# KiCad board JL.kicad_pcb (continued)
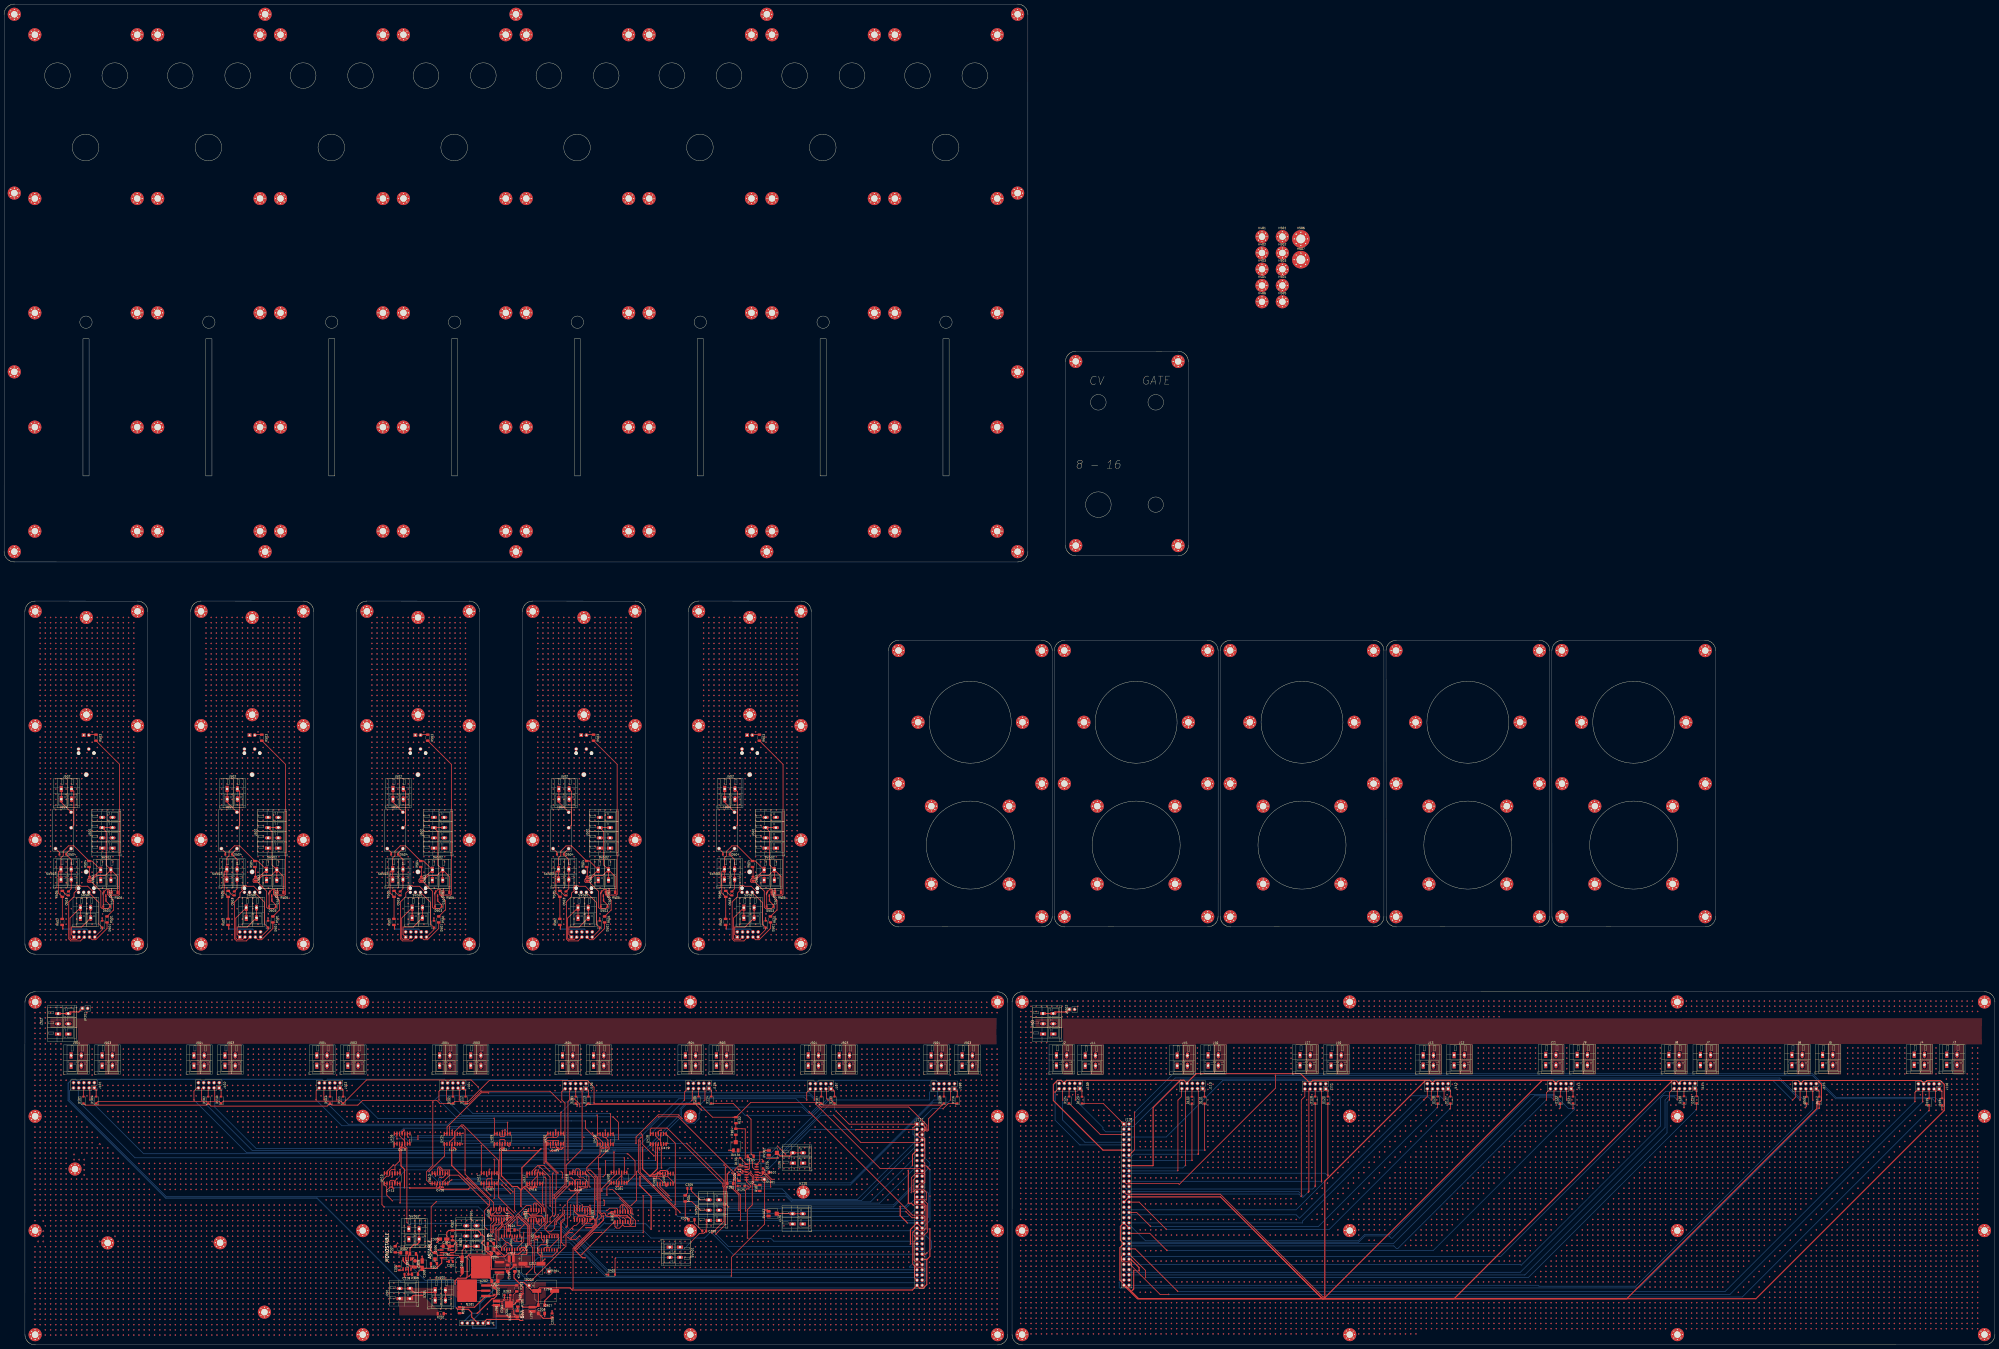
[diagram p0: board, top side]
## Routing (per net, layer and track width the routed paths; a pad name or vN(x,y) marks a point on that pad's centre or on a via; arc(x,y) is an arc through that point) (continued)
Net-(C305-Pad1): length 3.9
  Top w0.349: C305.1 333.69,74.07 R304.1
Net-(C306-Pad1): length 7.1
  Top w0.3: C306.1 337.18,59.42 R305.1
Net-(D117-K): length 386.2
  Top w0.349: 886.41,117.9 886.41,115.66 886.39,115.65 v1(886.46,115.65) 886.46,115.71 886.4,115.65
  Bottom w0.3: 546.89,31.69 546.87,31.66
  Bottom w0.349: 886.4,115.65 798.6,27.85 545.31,27.85 545.09,27.63 544.59,28.14 544.59,30.33 544.49,30.43 545.72,31.66 546.87,31.66
Net-(D118-K): length 135.2
  Top w0.349: 640.31,118 640.31,78
  Top w0.5: 640.31,78 640.31,77.49 v1(640.4,77.4)
  Bottom w0.349: v1(640.4,77.4) 639.14,76.15 548.1,76.15 546.87,77.38
Net-(D119-K): length 454.9
  Top w0.349: v1(644.15,23.4) 593.95,73.6 548.11,73.6 546.87,74.84 ; 939.9,114.4 939.89,114.4 v1(940.01,114.4) 940.01,114.51 940.11,114.61 940.11,117.1
  Bottom w0.349: v1(644.15,23.4) 848.9,23.4 939.9,114.4
Net-(D120-K): length 136.1
  Top w0.349: 646.51,118 646.51,83.4
  Top w0.5: 646.51,83.4 646.51,82.76 v1(646.4,82.65)
  Bottom w0.349: 546.87,82.46 548.25,83.85 548.79,83.85 548.88,83.77 549.93,83.77 550.02,83.85 645.2,83.85 v1(646.4,82.65)
Net-(D121-K): length 258.1
  Top w0.349: 766.21,118 766.21,115.46 766.15,115.4
  Bottom w0.349: 766.15,115.4 766.11,115.4 v1(766.11,115.4) 766.1,115.4 764.02,115.4 757.15,122.28 745.27,122.28 676.69,53.7 676.54,53.85 664.36,53.85 661.39,50.88 557.39,50.88 550.68,57.6 550.68,57.62 549.93,58.36 548.88,58.36 548.85,58.33 548.14,58.33 546.87,57.06
Net-(D122-K): length 252
  Top w0.349: 760.01,118 760.01,115.76 759.65,115.4
  Bottom w0.349: 546.87,51.98 548.49,50.36 548.88,50.74 549.93,50.74 550.48,50.19 661.55,50.19 664.61,53.25 676.3,53.25 677.65,51.9 747.42,121.68 756.9,121.68 759.65,118.93 759.65,115.49 v1(759.61,115.45) 759.65,115.41 759.65,115.4
Net-(D123-K): length 24.6
  Top w0.349: 546.87,107.86 536.83,117.9 526.41,117.9
Net-(D124-K): length 33.1
  Top w0.349: 546.87,102.78 535.33,102.78 520.11,118
Net-(D125-K): length 27.5
  Top w0.349: v4(363.47,77.23) 363.04,77.65 D125.1 ; 370.31,83.95 370.31,84.68 ; 366.64,83.15 U2.3 367.93,82.73 369.87,82.73 370.49,83.35 R101.2 374.36,80.37 v4(374.36,77.23)
  Bottom w0.349: v4(363.47,77.23) v4(374.36,77.23)
Net-(D126-A): length 17.4
  Top w0.349: 362.66,85.64 363.28,85.64 ; D126.2 370.64,90.15 v3(370.16,90.63) ; v3(364.66,90.93) 364.34,90.93 R103.2 363.96,91.31 363.96,86.11 363.53,85.69 U2.10
  Bottom w0.349: v3(370.16,90.63) 364.96,90.63 v3(364.66,90.93)
Net-(D127-K): length 189.4
  Top w0.349: 706.31,118 706.31,115.56 706.15,115.4 ; 549.41,69.76 554.29,69.76 567.65,56.4
  Bottom w0.349: 706.15,115.4 706.16,115.41 v1(706.16,115.35) 706.09,115.35 647.15,56.4 567.66,56.4 v1(567.66,56.4) 567.65,56.4 567.65,56.4
Net-(D128-K): length 179.5
  Top w0.349: 700.11,118 700.11,116.11 699.96,115.96 v1(699.96,115.95) 699.94,115.95 699.9,115.9 ; 549.41,64.68 553.12,64.68 559.86,57.94 v1(559.86,57.9) 559.9,57.9 559.9,57.9
  Bottom w0.349: 699.9,115.9 641.9,57.9 559.9,57.9
Net-(D129-K): length 321
  Top w0.349: 826.4,114.9 826.39,114.9 v1(826.41,114.9) 826.41,114.91 826.61,115.11 826.61,118.1 ; 549.41,44.36 557.4,36.37 557.4,32.9
  Bottom w0.349: 826.4,114.9 744.43,32.93 557.43,32.93 557.41,32.91 v1(557.41,32.9) 557.39,32.9 557.4,32.9
Net-(D130-K): length 319.5
  Top w0.349: 820.4,115.9 820.39,115.9 v1(820.41,115.9) 820.41,118.1
  Bottom w0.349: 549.41,39.28 740.52,39.28 740.9,38.9 808.9,106.9 808.9,120.4 810.27,121.78 817.1,121.78 820.4,118.48 820.4,115.9
Net-(D131-K): length 59.8
  Top w0.349: 586.31,117.9 586.31,95.24 586.35,95.2 v1(586.41,95.2) 586.41,95.14 586.4,95.15
  Bottom w0.349: 549.41,95.16 586.39,95.16 586.4,95.15
Net-(D132-K): length 349.7
  Top w0.349: 879.65,115.9 879.64,115.9 v1(879.66,115.9) 879.66,115.91 880.21,116.46 880.21,117.9
  Bottom w0.349: 879.65,115.9 879.65,119.03 877.7,120.98 876.58,120.98 867.15,130.4 571.95,130.4 549.41,107.86
Net-(D133-K): length 58.6
  Top w0.349: 580.15,90.15 580.11,90.19 580.11,117.9
  Bottom w0.349: 549.41,90.08 580.08,90.08 580.16,90.16 v1(580.16,90.15) 580.14,90.15 580.15,90.15
Net-(D134-K): length 435.4
  Top w0.349: 946.4,114.9 946.41,114.91 946.41,117.1 ; 552.15,113.65 v1(552.11,113.65) 552.15,95.36 549.41,92.62
  Bottom w0.349: 946.4,114.9 946.41,114.89 v1(946.41,114.85) 946.45,114.85 946.12,115.18 946.12,117.85 943.15,120.83 894.75,120.83 883.15,132.43 570.92,132.43 552.15,113.65
Net-(D135-A): length 4.9
  Top w0.349: 359.66,91.38 359.66,91.13 U2.8 363.07,88.23
Net-(D135-K): length 19.3
  Top w0.349: R107.2 368.71,77.82 366.84,77.82 366.11,78.54 366.11,82.59 364.72,83.98 ; 364.72,83.98 364.72,84.77 v3(364.66,84.83) ; 364.72,83.98 363.9,83.98 363.07,83.15 U2.12 ; D135.1 359.86,87.63 v3(360.86,87.63)
  Bottom w0.349: v3(364.66,84.83) 361.86,87.63 v3(360.86,87.63)
Net-(D401-A): length 39.8
  Top w0.349: v4(298.62,42.4) 298.38,42.17 D401.2
  Bottom w0.349: v4(298.62,42.4) 298.98,42.77 SW401.2
Net-(J502-Pin_1): length 66.8
  Top w0.349: K501#2.4 270.93,265.03 J502.1 ; J502#2.1 27.93,265.03 K501#5.4 ; K501#4.4 189.93,265.03 J502#4.1 ; K501.4 108.93,265.03 J502#3.1 ; J502#5.1 351.93,265.03 K501#3.4
Net-(J502-Pin_2): length 125
  Top w0.349: K501#3.3 358.06,253.93 358.06,270.44 J502#5.2 ; J502.2 277.06,270.44 277.06,253.93 K501#2.3 ; J502#3.2 115.06,270.44 115.06,253.93 K501.3 ; K501#4.3 196.06,253.93 196.06,270.44 J502#4.2 ; J502#2.2 34.06,270.44 34.06,253.93 K501#5.3
  Bottom w0.349: J502#3.2 J502#3.2 ; J502.2 J502.2 ; J502#4.2 J502#4.2 ; J502#5.2 J502#5.2 ; J502#2.2 J502#2.2
Net-(R104-Pad1): length 3.6
  Top w0.349: RV101.2 R104.1
Net-(R401-Pad2): length 15
  Top w0.349: v4(246.56,58.43) 246.35,58.22 R401.2 ; 242.89,65.86 242.89,66.38 ; U405.3 242.9,65.33 241.97,64.4 v4(240.62,64.4)
  Bottom w0.349: v4(240.62,64.4) 240.62,64.37 v4(246.56,58.43)
Net-(U2C--): length 17.7
  Top w0.349: R106.2 358.22,80.82 v3(358.22,81.35) ; v3(356.96,85.33) 356.96,85.69 358.2,86.93 362.53,86.93 U2.9 ; v3(355.36,84.03) 356.42,82.97 v3(356.42,81.35) 356.1,81.04 R105.1
  Bottom w0.349: v3(355.36,84.03) 355.66,84.03 v3(356.96,85.33) ; v3(356.42,81.35) v3(358.22,81.35)
Net-(U2D--): length 30.6
  Top w0.349: v3(362.06,65.43) 362.06,75.53 362.73,76.2 363.53,76.2 364.56,77.23 364.56,77.73 362.56,79.73 U2.14 U2.13 ; v3(371.98,65.94) 372.67,65.94 RV103.3
  Bottom w0.349: v3(362.06,65.43) 371.47,65.43 v3(371.98,65.94)
Net-(U302-TR): length 17.1
  Top w0.3: SW302.2 SW302.2
  Top w0.5: R306.1 198.23,47.18 200.14,49.08 201.61,49.08 202.68,50.15 SW302.2 ; U302.2 197.42,43.7 197.75,44.03
unconnected-(RV301-Pad3): length 5
  Bottom w0.3: RV301.3 RV301.3
unconnected-(U501-LOAD-1-Pad1): length 25
  Bottom w0.349: U501.1 U501.1 ; U501#3.1 U501#3.1 ; U501#5.1 U501#5.1 ; U501#2.1 U501#2.1 ; U501#4.1 U501#4.1
unconnected-(U501-LOAD-2-Pad2): length 25
  Bottom w0.349: U501#4.2 U501#4.2 ; U501.2 U501.2 ; U501#5.2 U501#5.2 ; U501#2.2 U501#2.2 ; U501#3.2 U501#3.2

## Copper pours and planes (outline as drawn; the poured copper is in the pictures)
+6V on Top: 248.37,39.4 252.62,39.4 252.62,41.4 248.37,41.4
+6V on Top: 247.77,43.5 247.77,37.55 257.39,37.55 257.39,43.58 247.87,43.58
+12V on Top: 245.62,28.9 254.37,28.9 254.37,25.65 251.62,25.65 251.62,25.15 246.12,25.15 246.12,21.65 245.62,21.65
+12V on Top: 245.76,28.83 240.96,28.93 240.96,27.53 245.76,27.63
+12V on Top: 235.62,29.65 236.12,30.15 239.62,30.15 240.12,30.9 241.12,30.9 241.12,27.15 238.37,27.15 237.12,28.4 235.62,28.4
+12V on Top: 240.12,30.9 240.12,34.4 239.37,35.4 239.37,36.15 244.12,36.15 244.12,32.65 241.12,30.9
/Power Supply/5VA Unfiltered on Top: 252.87,17.4 252.87,15.15 242.12,15.15 242.12,19.9 238.62,19.9 238.62,12.4 262.37,12.4 262.37,17.4
/Power Supply/5VA Unfiltered on Top: 247.46,15.13 247.46,16.83 249.16,16.83 249.26,15.13
GND on Top: 246.62,21.4 244.62,21.4 244.62,18.15 248.62,18.15 248.62,21.4 247.37,21.4 247.37,22.15 246.62,22.15
GND on Top: 246.62,24.9 251.87,24.9 251.87,25.4 254.37,25.4 254.37,20.4 247.87,20.4 248.87,21.65 246.62,21.65
GND on In1.Cu, In2.Cu: 14.38,168.3 485.62,168.65 485.62,4.65 13.96,3.83
/Power Supply/POL-FET-D on Top: 215.37,28.15 216.12,29.15 219.87,29.15 221.62,30.4 221.62,22.65 219.87,23.9 216.12,23.9 215.12,25.9
/Power Supply/PowerIn+ on Top: 192.87,27.9 210.37,27.9 210.37,25.4 199.12,25.4 197.12,27.15 192.87,27.15
/Power Supply/PowerIn- on Top: 192.87,23.65 199.12,23.65 200.37,24.65 204.12,24.65 212.12,16.9 212.12,14.4 192.87,14.4
/Power Supply/SW-REG_CB on Top: 245.12,17.9 245.12,15.4 242.37,15.4 242.37,20.4 244.12,20.4 244.12,17.9
/Power Supply/SW_REG_L on Top: 238.62,20.65 238.62,22.65 245.37,22.65 245.37,20.65
/Power Supply/Unfiltered-6V on Top: 239.47,42.95 239.64,44.65 239.52,45.75 237.89,45.75 237.87,47.88 240.14,47.88 240.17,45.93 241.09,45.9 241.47,45.63 241.44,44.53 241.57,42.95
/Power Supply/Unfiltered-6V on Top: 245.22,43.83 244.32,42.9 239.47,42.95 239.44,37.3 247.57,37.33 247.59,43.83
_GND_0 on In1.Cu: 339.06,358.33 388.86,358.33 388.96,195.83 339.16,195.73
_GND_0 on In1.Cu: 15.06,358.33 64.86,358.33 64.96,195.83 15.16,195.73
_GND_0 on In1.Cu: 258.06,358.33 307.86,358.33 307.96,195.83 258.16,195.73
_GND_0 on In1.Cu: 96.06,358.33 145.86,358.33 145.96,195.83 96.16,195.73
_GND_0 on In1.Cu: 177.06,358.33 226.86,358.33 226.96,195.83 177.16,195.73
_GND_0 on In2.Cu: 15.06,358.33 64.86,358.33 64.96,195.83 15.16,195.73
_GND_0 on In2.Cu: 177.06,358.33 226.86,358.33 226.96,195.83 177.16,195.73
_GND_0 on In2.Cu: 96.06,358.33 145.86,358.33 145.96,195.83 96.16,195.73
_GND_0 on In2.Cu: 258.06,358.33 307.86,358.33 307.96,195.83 258.16,195.73
_GND_0 on In2.Cu: 339.06,358.33 388.86,358.33 388.96,195.83 339.16,195.73
LINE on Top: 36.02,154.85 22.62,154.8 22.62,159.5 484.77,159.65 484.62,153.1 484.72,146.8 482.82,146.8 476.02,146.75 475.87,132 470.77,132.1 470.87,147.05 460.77,147.05 460.77,132.05 454.22,132.05 454.17,147.05 415.92,147.05 415.92,132.05 409.37,132.05 409.37,147.05 400.87,147 400.97,132.05 394.17,132.1 394.17,147.05 356.27,147 356.22,132.05 349.32,132.05 349.32,147 340.92,147 340.92,132 334.17,132.05 334.17,147.05 296.02,147.05 296.02,132 289.32,132.05 289.32,147.05 280.67,147.05 280.67,132.05 274.17,132.05 274.17,147.05 235.97,147 235.97,132 229.32,132.05 229.32,147.05 220.87,147 220.87,132.05 214.17,132.05 214.17,147 175.82,147.05 175.82,132.05 169.32,132.05 169.32,147.1 160.77,147.05 160.77,132.05 154.17,132.05 154.17,147.1 115.97,147.05 115.97,132.05 109.32,132.05 109.32,147.05 100.72,147.1 100.72,132.05 94.12,132.05 94.17,147.05 55.82,147.05 55.82,132 49.32,132.05 49.32,147.05 40.92,147.05 40.92,132.05 36.02,132.05
LINE2 on Top: 517.25,154.83 503.7,154.83 503.7,159.33 966,159.63 965.85,153.08 965.95,146.78 964.05,146.78 957.25,146.73 957.1,131.98 952,132.08 952.1,147.03 942,147.03 942,132.03 935.45,132.03 935.4,147.03 897.15,147.03 897.15,132.03 890.6,132.03 890.6,147.03 882.1,146.98 882.2,132.03 875.4,132.08 875.4,147.03 837.5,146.98 837.45,132.03 830.55,132.03 830.55,146.98 822.15,146.98 822.15,131.98 815.4,132.03 815.4,147.03 777.25,147.03 777.25,131.98 770.55,132.03 770.55,147.03 761.9,147.03 761.9,132.03 755.4,132.03 755.4,147.03 717.2,146.98 717.2,131.98 710.55,132.03 710.55,147.03 702.1,146.98 702.1,132.03 695.4,132.03 695.4,146.98 657.05,147.03 657.05,132.03 650.55,132.03 650.55,147.08 642,147.03 642,132.03 635.4,132.03 635.4,147.08 597.2,147.03 597.2,132.03 590.55,132.03 590.55,147.03 581.95,147.08 581.95,132.03 575.35,132.03 575.4,147.03 537.05,147.03 537.05,131.98 530.55,132.03 530.55,147.03 522.15,147.03 522.15,132.03 517.25,132.03
NEUT on Bottom: 30.57,149.55 22.62,149.55 22.62,154.55 479.02,154.5 479.02,133.8 477.17,133.8 477.22,146.95 470.42,146.9 470.42,131.85 465.32,131.95 465.42,146.9 455.32,146.9 455.32,131.9 448.77,131.9 448.72,146.9 410.47,146.9 410.47,131.9 403.92,131.9 403.92,146.9 395.42,146.85 395.52,131.9 388.72,131.95 388.72,146.9 350.82,146.85 350.77,131.9 343.87,131.9 343.87,146.85 335.47,146.85 335.47,131.85 328.72,131.9 328.72,146.9 290.57,146.9 290.57,131.85 283.87,131.9 283.87,146.9 275.22,146.9 275.22,131.9 268.72,131.9 268.72,146.9 230.52,146.85 230.52,131.85 223.87,131.9 223.87,146.9 215.42,146.85 215.42,131.9 208.72,131.9 208.72,146.85 170.37,146.9 170.37,131.9 163.87,131.9 163.87,146.95 155.32,146.9 155.32,131.9 148.72,131.9 148.72,146.95 110.52,146.9 110.52,131.9 103.87,131.9 103.87,146.9 95.27,146.95 95.27,131.9 88.67,131.9 88.72,146.9 50.37,146.9 50.37,131.85 43.87,131.9 43.87,146.9 35.47,146.9 35.47,131.9 30.57,131.9
NEUT2 on Bottom: 511.65,149.68 503.7,149.68 503.7,154.68 960.1,154.63 960.1,133.93 958.25,133.93 958.3,147.08 951.5,147.03 951.5,131.98 946.4,132.08 946.5,147.03 936.4,147.03 936.4,132.03 929.85,132.03 929.8,147.03 891.55,147.03 891.55,132.03 885,132.03 885,147.03 876.5,146.98 876.6,132.03 869.8,132.08 869.8,147.03 831.9,146.98 831.85,132.03 824.95,132.03 824.95,146.98 816.55,146.98 816.55,131.98 809.8,132.03 809.8,147.03 771.65,147.03 771.65,131.98 764.95,132.03 764.95,147.03 756.3,147.03 756.3,132.03 749.8,132.03 749.8,147.03 711.6,146.98 711.6,131.98 704.95,132.03 704.95,147.03 696.5,146.98 696.5,132.03 689.8,132.03 689.8,146.98 651.45,147.03 651.45,132.03 644.95,132.03 644.95,147.08 636.4,147.03 636.4,132.03 629.8,132.03 629.8,147.08 591.6,147.03 591.6,132.03 584.95,132.03 584.95,147.03 576.35,147.08 576.35,132.03 569.75,132.03 569.8,147.03 531.45,147.03 531.45,131.98 524.95,132.03 524.95,147.03 516.55,147.03 516.55,132.03 511.65,132.03
SECONDARY_5VA on Top: 253.94,17.63 262.42,17.65 262.32,22.28 264.52,23.33 264.67,30.7 254.54,30.55 254.62,20.08 253.94,20.08
SECONDARY_GND on In1.Cu, In2.Cu: 495.41,168.83 966.65,169.18 966.65,5.18 495.65,4.68

## Text on the board
F.Silkscreen: 6V | MONOSTABLE | ASTABLE | 5VA | 8 - 16 | CV | GATE
